# Altium PCB Node.PcbDoc
Units mil, origin at the board's own origin, x right, y up, seen from the top; angles counter-clockwise.
Board outline 2842.66 x 3035 mil, 2 copper layers (Top Layer, Bottom Layer); 112 components, 71 nets, 343 pads, 90 vias.
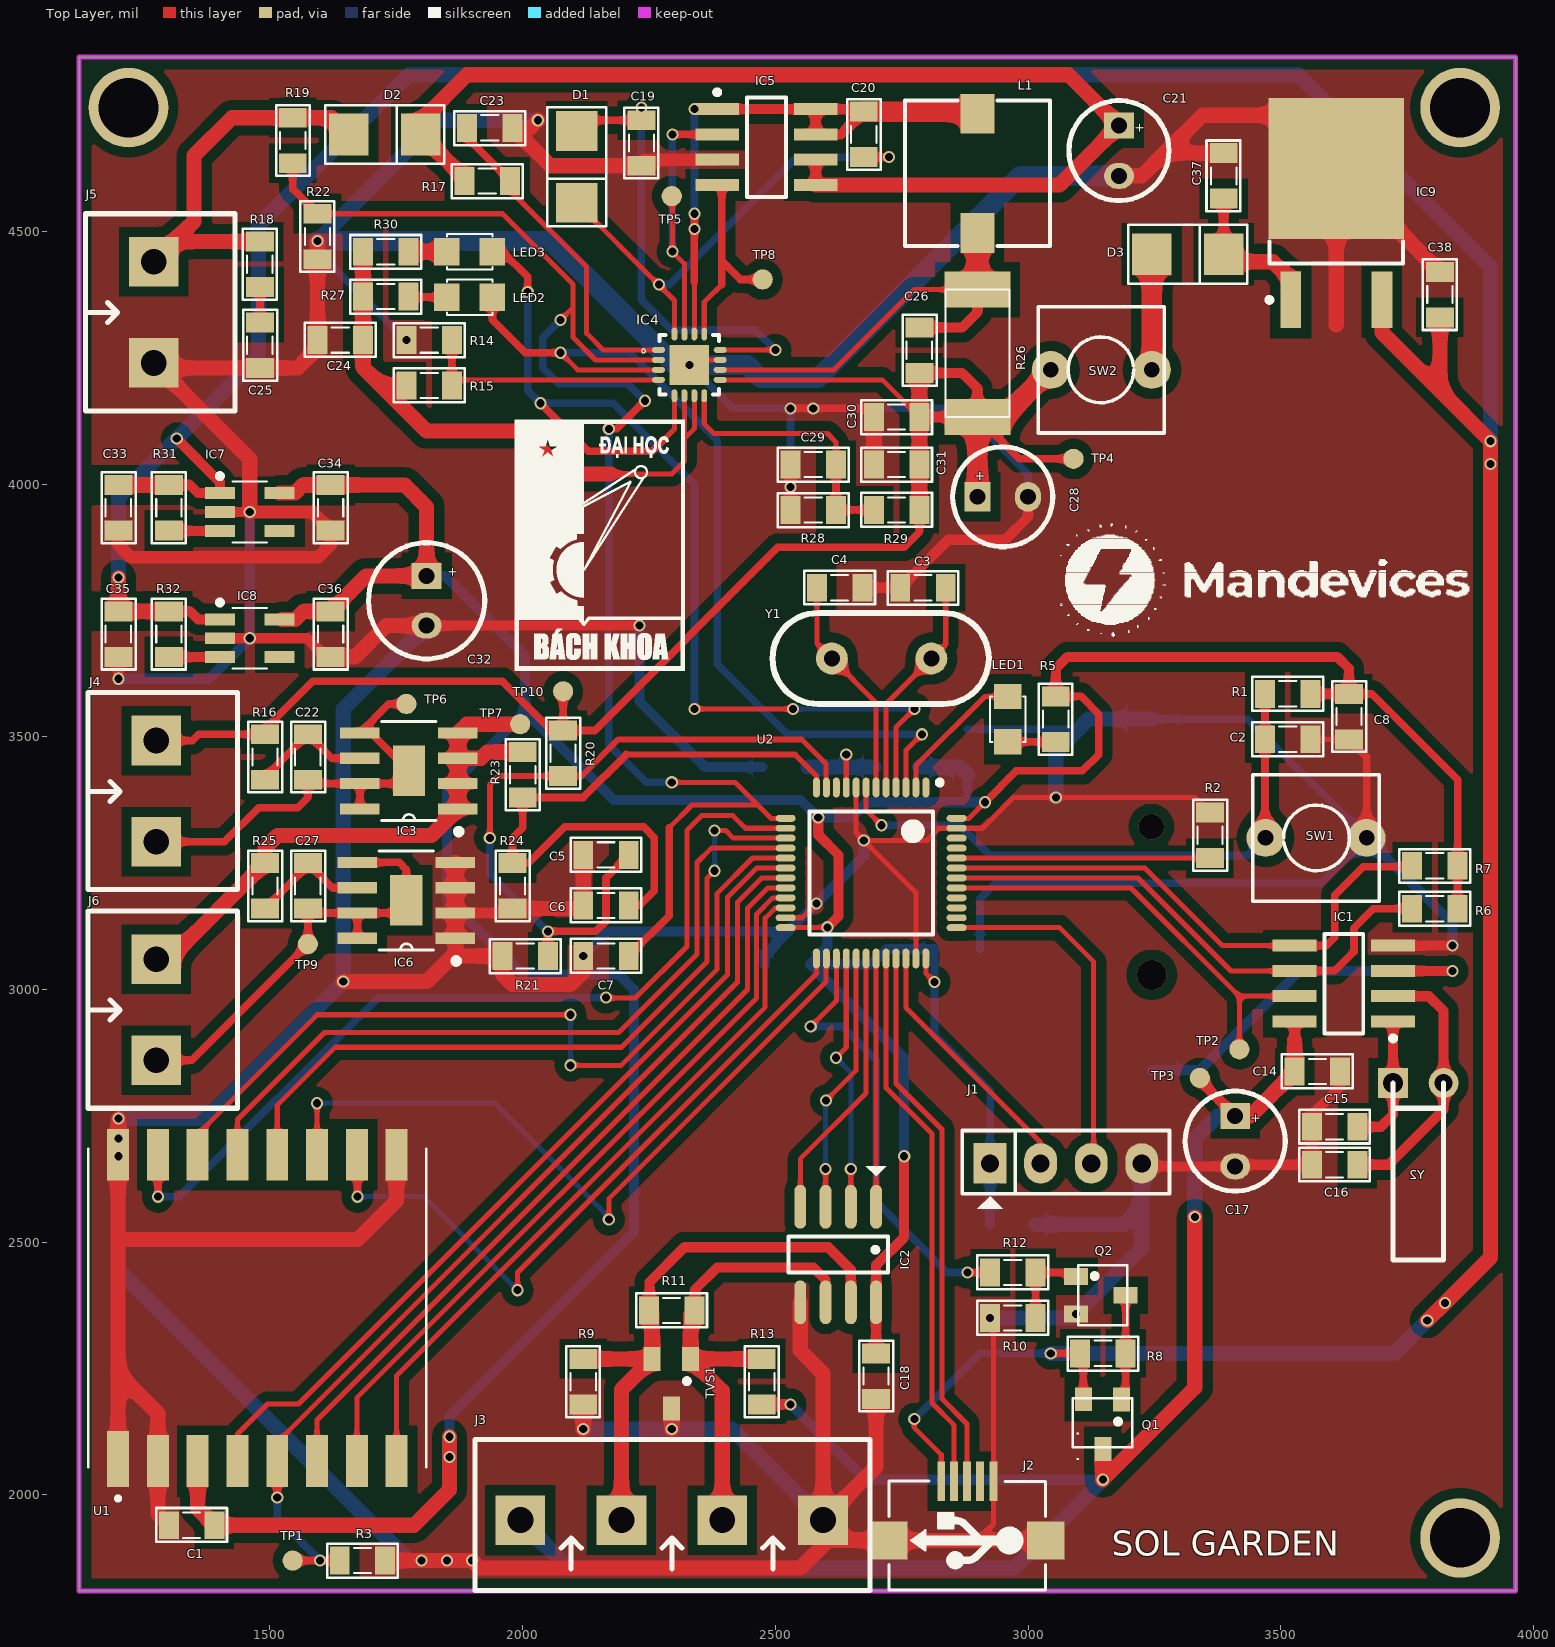
[diagram p0: Top Layer view]
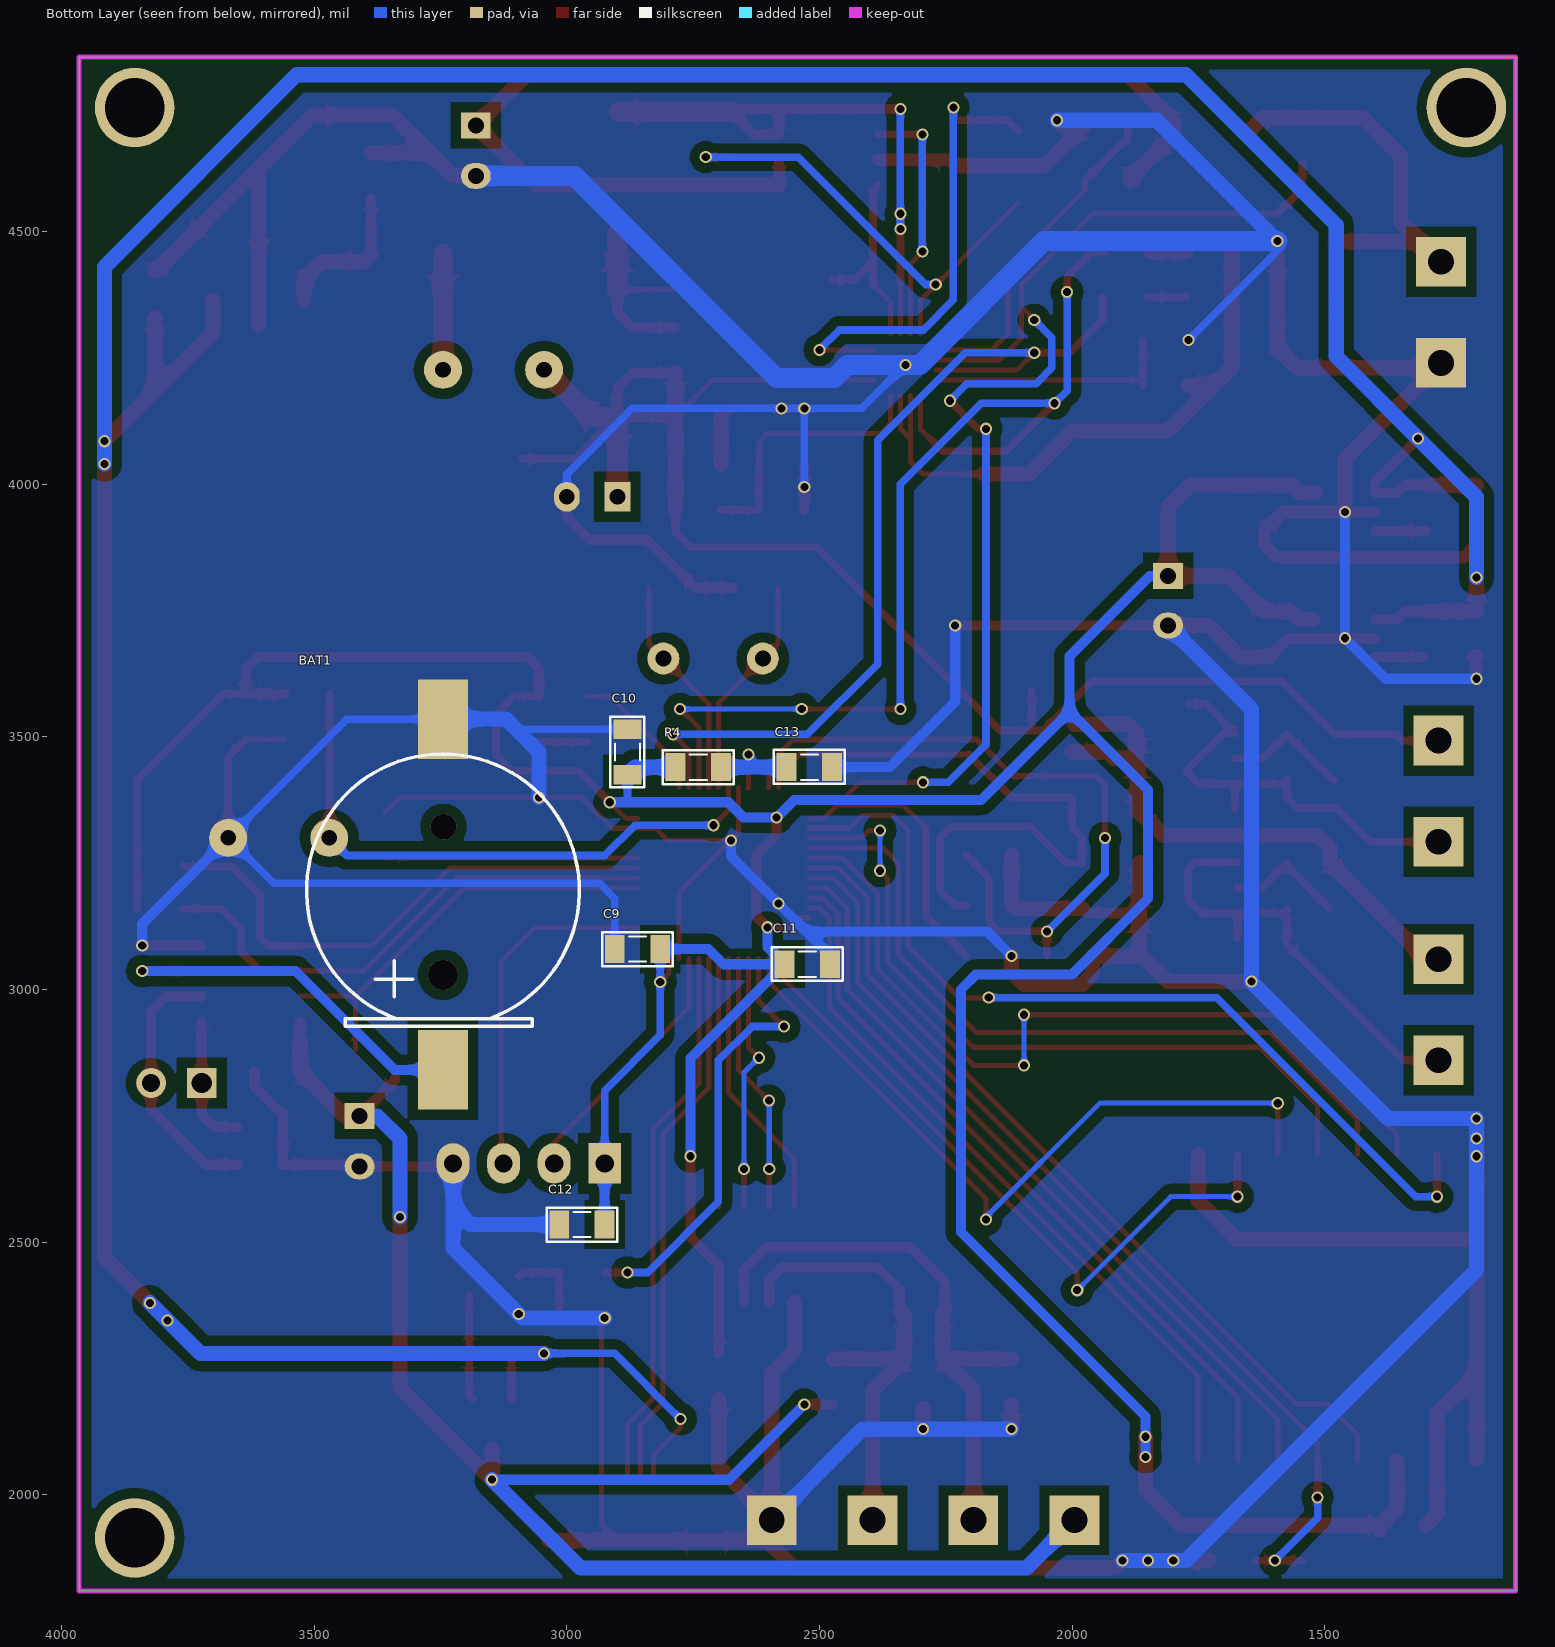
[diagram p1: Bottom Layer view, seen from below]
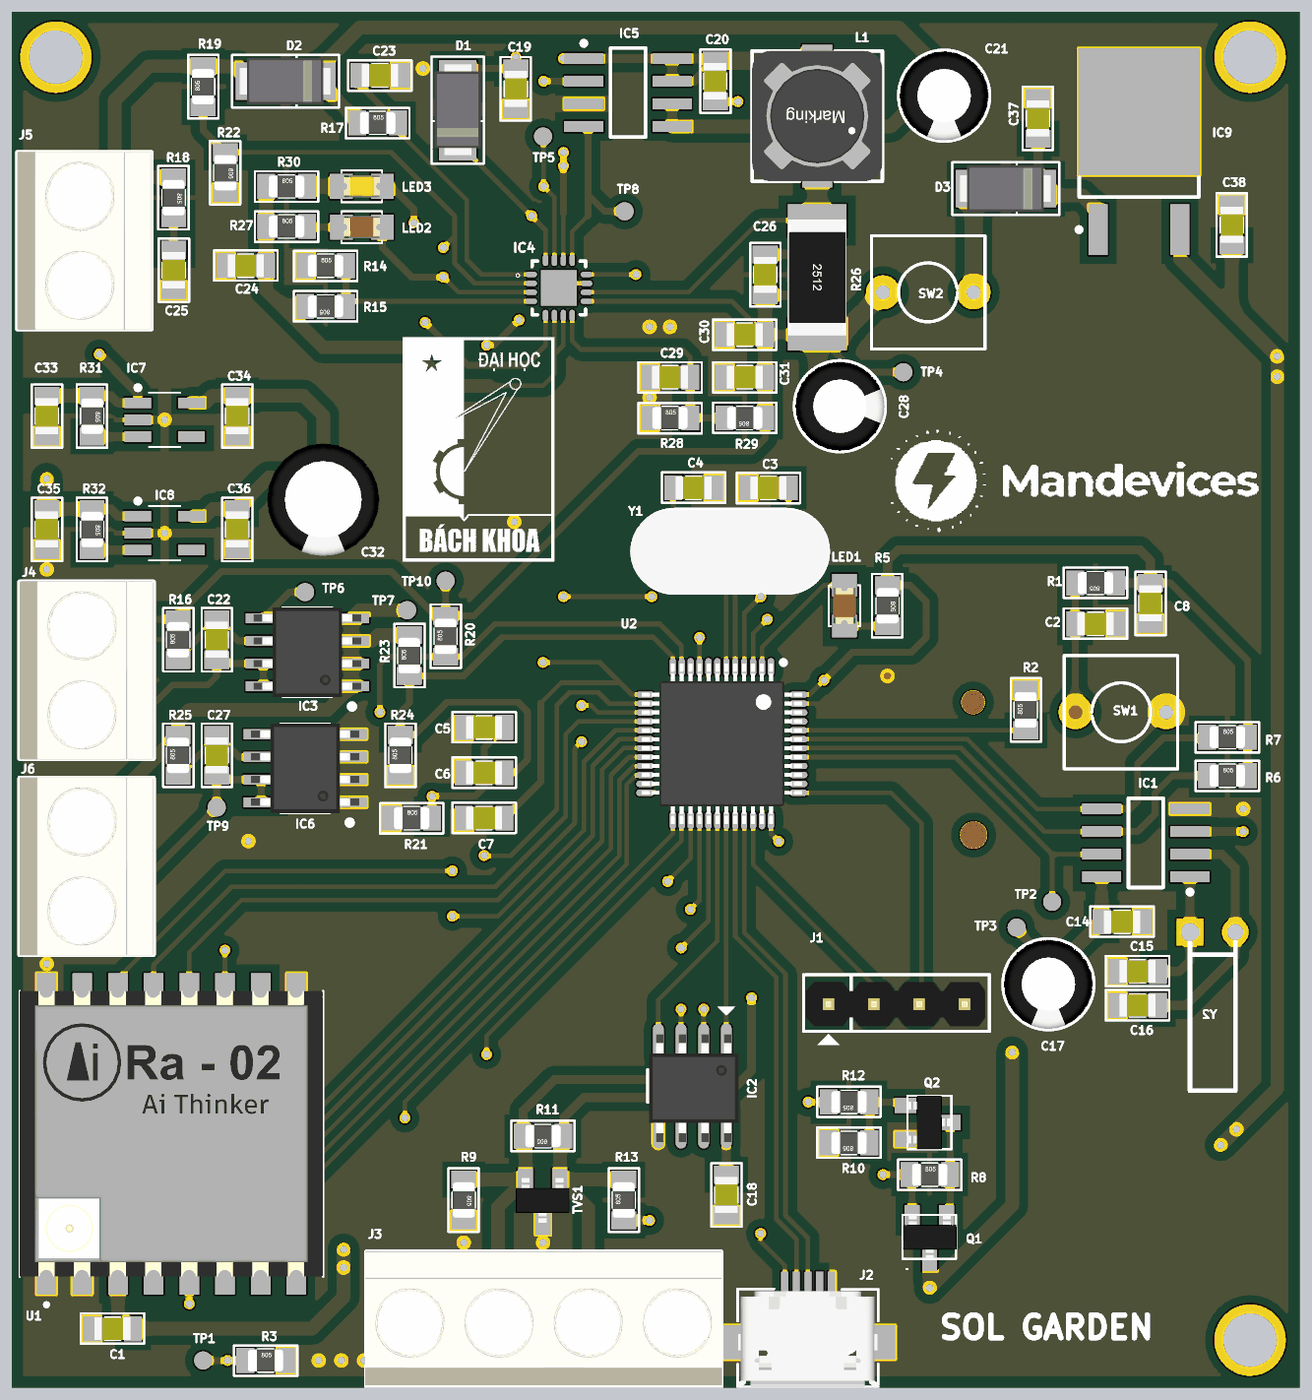
[diagram p2: 3D render of the assembled board from above, using the file's embedded part models]
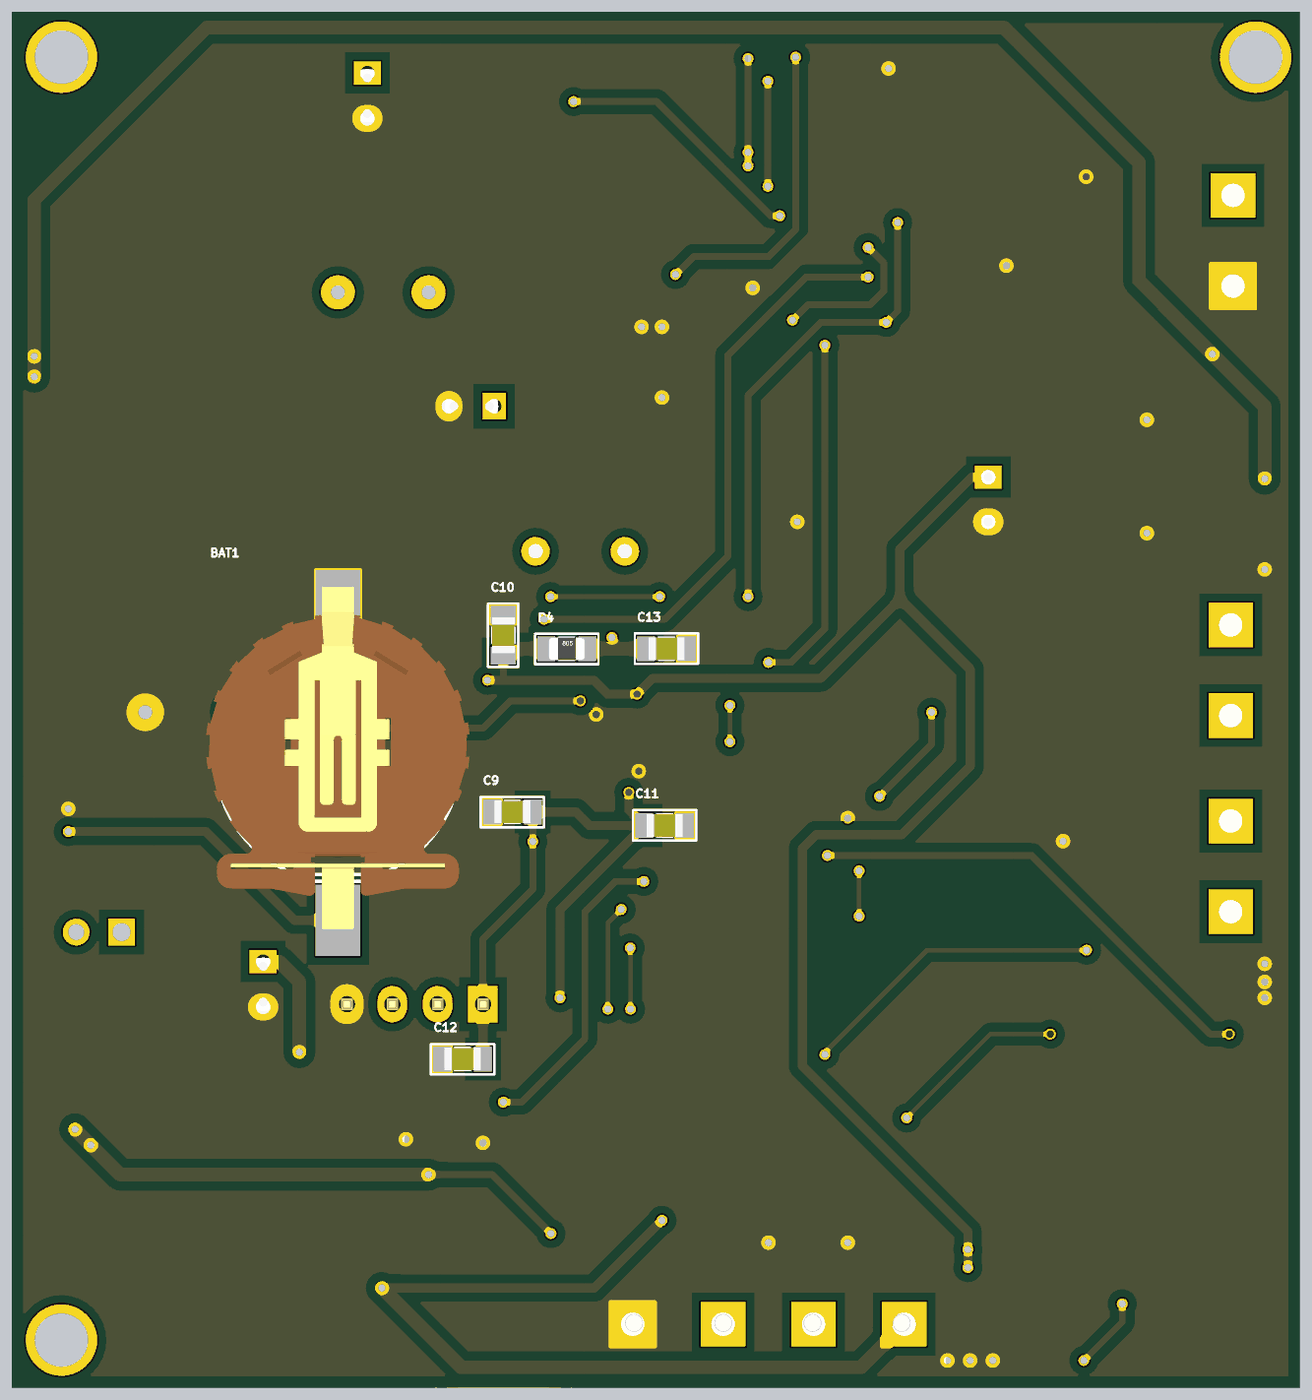
[diagram p3: 3D render of the assembled board from below, using the file's embedded part models]

## Layer stack, top to bottom
Top Solder: solder mask 0.4, Solder Resist, Dk 3.5
Top Layer: signal copper 1.4
Dielectric 1: dielectric 12.6, FR-4, Dk 4.8
Bottom Layer: signal copper 1.4
Bottom Solder: solder mask 0.4, Solder Resist, Dk 3.5

## Board outline
1122.34,1882.34 1122.34,4845 3965,4845 3965,1810 1122.34,1810

## Design rules (kind name [scope] priority, off if disabled: settings)
Clearance [All] p1: gap=20 ignorepadtopadclearanceinfootprint=TRUE except(0: Arc-Text Arc-Hole Track-Text Track-Hole SMDPad-Text SMDPad-Hole THPad-Text THPad-Hole Via-Text Via-Hole Fill-Text Fill-Hole Poly-Text Poly-Hole Region-Text Region-Hole Text-Text Text-Hole; 7: Arc-Arc Arc-Track Arc-SMDPad Track-Track Track-SMDPad SMDPad-SMDPad; 12: Arc-THPad Arc-Via Track-THPad Track-Via SMDPad-THPad SMDPad-Via THPad-THPad THPad-Via Via-Via)
DiffPairsRouting [All] p1: maxlimit=10 minlimit=10 mostfreqgap=10 toplayer_minwidth=10 toplayer_maxwidth=15 toplayer_prefwidth=15 bottomlayer_minwidth=10 bottomlayer_maxwidth=15 bottomlayer_prefwidth=15 maxuncoupledlength=500
PolygonConnect [All] p1: connectstyle=Direct reliefconductorwidth=10 reliefentries=4 polygonreliefangle="90 Angle" airgapwidth=10
RoutingVias [All] p1: holewidth=16 width=24 viastyle="Through Hole" minholewidth=16 minwidth=24 maxholewidth=16 maxwidth=24
SolderMaskExpansion [All] p1: expansion=4
Width [All] p1: maxlimit=60 minlimit=10 preferedwidth=15
29 further rules are at their usual default settings.

## Classes and differential pairs
component class 04: C17 C18 IC2 J3 Q1 Q2 R8 R9 R10 R11 R12 R13 TP3 TVS1
component class 03: C19 C20 C21 C22 C23 C24 C25 C26 C27 C28 C29 C30 C31 C32 C33 C34 C35 C36 C37 C38 D1 D2 D3 IC3 IC4 IC5 IC6 IC7 IC8 IC9 J4 J5 J6 L1 LED2 LED3 R14 R15 R16 R17 R18 R19 R20 R21 R22 R23 R24 R25 R26 R27 R28 R29 R30 R31 R32 SW2 TP4 TP5 TP6 TP7 TP8 TP9 TP10
component class 02: C1 U1
component class 01: BAT1 C2 C3 C4 C5 C6 C7 C8 C9 C10 C11 C12 C13 C14 C15 C16 IC1 J1 J2 LED1 R1 R2 R3 R4 R5 R6 R7 SW1 TP1 TP2 U2 Y1 Y2
differential pair USB: +USB_P -USB_N

## Components (designator, comment, footprint, x,y, rotation, side; value= is the part's Value field where it differs from the comment)
BAT1 "PIN 3V" "CR1220 SMD" 3236,3182 r180 bottom
C1 "100nF" CAP_0805 1345,1940 r180 top value=33p
C2 "100nF" CAP_0805 3514,3495 r180 top value=33p
C3 "22pF" CAP_0805 2792.24,3795 r0 top value=33p
C4 "22pF" CAP_0805 2627.24,3795 r180 top value=33p
C5 "100nF" CAP_0805 2165,3266.41 r180 top value=33p
C6 "100nF" CAP_0805 2165,3166.41 r180 top value=33p
C7 "100nF" CAP_0805 2165,3066.41 r180 top value=33p
C8 "100nF" CAP_0805 3635,3540 r90 top value=33p
C9 "100nF" CAP_0805 2860,3080 r180 bottom value=33p
C10 "100nF" CAP_0805 2880,3470 r270 bottom value=33p
C11 "100nF" CAP_0805 2524.05,3050 r0 bottom value=33p
C12 "1uF" CAP_0805 2970,2535 r180 bottom value=33p
C13 "10nF" CAP_0805 2520,3440 r0 bottom value=33p
C14 "100nF" CAP_0805 3572.56,2837.56 r180 top value=33p
C15 "10pF" CAP_0805 3606.67,2728.27 r180 top value=33p
C16 "10pC" CAP_0805 3606.67,2653.27 r180 top value=33p
C17 "220uF/16V" C5mm 3410,2700 r270 top
C18 "10uF" CAP_0805 2699.37,2235 r90 top value=33p
C19 "1uF" CAP_0805 2235,4675 r270 top value=33p
C20 "100nF" CAP_0805 2675,4692 r90 top value=33p
C21 "220uF/25V" C5mm 3180,4660 r270 top
C22 "100nF" CAP_0805 1575,3460 r90 top value=33p
C23 "100nF" CAP_0805 1935,4705 r0 top value=33p
C24 "100nF" CAP_0805 1639.05,4285 r180 top value=33p
C25 "2.2uF" CAP_0805 1480,4275 r90 top value=33p
C26 "10uF" CAP_0805 2785,4265 r90 top value=33p
C27 "100nF" CAP_0805 1575,3205 r90 top value=33p
C28 "100uF/16V" C5mm 2950,3975 r0 top
C29 "100nF" CAP_0805 2575,4039.02 r0 top value=33p
C30 "10uF" CAP_0805 2740,4133.03 r0 top value=33p
C31 "22uF" CAP_0805 2740,4039.02 r0 top value=33p
C32 "470uF/16V" C8mm 1810,3769.21 r270 top
C33 "10uF" CAP_0805 1200,3953.21 r90 top value=33p
C34 "10uF" CAP_0805 1620,3953.21 r90 top value=33p
C35 "10uF" CAP_0805 1200,3703.21 r90 top value=33p
C36 "10uF" CAP_0805 1620,3703.21 r90 top value=33p
C37 "22uF" CAP_0805 3387.2,4610 r270 top value=33p
C38 "22uF" CAP_0805 3815,4375 r270 top value=33p
D1 "1N5822" DIO-214AC(SMA) 2105,4625 r90 top value="Diode c?m 1N5408"
D2 "1N5822" DIO-214AC(SMA) 1730,4690 r180 top value="Diode c?m 1N5408"
D3 "1N5822" DIO-214AC(SMA) 3319,4453 r180 top value="Diode c?m 1N5408"
IC1 "DS1307Z" SOIC-8 3625,3011.73 r180 top
IC2 "MAX3485" SO-8 2624.37,2475.51 r270 top
IC3 "XB8688A" SOP8-PP 1775,3432.5 r180 top
IC4 "BQ24650" VQFN-16 2329.84,4236.02 r0 top
IC5 "AO4914" SOIC-8 2482.44,4667 r0 top
IC6 "XB8688A" SOP8-PP 1770,3176.41 r180 top
IC7 "RT9013" SOT23-5 1460,3945 r0 top
IC8 "RT9013" SOT23-5 1460,3695 r0 top
IC9 "LM7805" TO-252 3610,4530 r90 top
J1 "ST_Link" Jump_4p 2925,2656 r0 top
J2 "USB-5" USB-M1 2879.49,2026.84 r180 top
J3 "KF4" KF4-5.08 1995.5,1950 r0 top
J4 "KF2" KF2-5.08 1275,3392.5 r90 top
J5 "KF2" KF2-5.08 1270,4340 r90 top
J6 "KF2" KF2-5.08 1275,2960 r90 top
L1 "15uH" L-SMD-M-7.3x4.5 2900,4615 r0 top value="150 mH"
LED1 "LED" LED-0805-Red 2960,3490 r90 top value="LED 3 ly Single Colour"
LED2 "LED" LED-0805-Red 1850,4370 r0 top value="LED 3 ly Single Colour"
LED3 "LED" LED-0805-Orange 1850,4460 r0 top value="LED 3 ly Single Colour"
Q1 "AO3401" SOT23A 3148.21,2140 r180 top
Q2 "2SC1815" SOT23D 3144,2395 r270 top value=C1815
R1 "10k" RES-SMD-0805 3514,3585 r180 top
R2 "100k" RES-SMD-0805 3360,3305.07 r90 top
R3 "100k" RES-SMD-0805 1683,1870 r0 top
R4 "10R" RES-SMD-0805 2740,3440 r180 bottom
R5 "1k" RES-SMD-0805 3055,3535 r270 top
R6 "10k" RES-SMD-0805 3805,3160 r0 top
R7 "10k" RES-SMD-0805 3805,3245 r0 top
R8 "100k" RES-SMD-0805 3148.21,2280 r0 top
R9 "4k7" RES-SMD-0805 2120,2224 r270 top
R10 "100k" RES-SMD-0805 2970,2350 r180 top
R11 "120" RES-SMD-0805 2294.8,2365 r180 top
R12 "1k" RES-SMD-0805 2970,2440 r180 top
R13 "4k7" RES-SMD-0805 2472.95,2224 r90 top
R14 "10k" RES-SMD-0805 1815,4285 r0 top
R15 "6k8" RES-SMD-0805 1815,4195 r180 top
R16 "1k" RES-SMD-0805 1490,3460 r90 top
R17 "10R" RES-SMD-0805 1930,4600 r0 top
R18 "2R" RES-SMD-0805 1480,4435 r270 top
R19 "110k" RES-SMD-0805 1545,4680 r90 top
R20 "270k" RES-SMD-0805 2080,3467.49 r90 top
R21 "150k" RES-SMD-0805 2005,3066.41 r0 top
R22 "15k" RES-SMD-0805 1594.05,4490 r270 top
R23 "120k" RES-SMD-0805 2000,3425 r90 top
R24 "300k" RES-SMD-0805 1980,3205 r90 top
R25 "1k" RES-SMD-0805 1490,3205 r90 top
R26 "0R04" RES-SMD-2512 2895,4259.02 r270 top
R27 "1k5" RES-SMD-0805 1729.05,4371.5 r0 top
R28 "10k" RES-SMD-0805 2575,3949.02 r0 top
R29 "30k" RES-SMD-0805 2740,3949.02 r180 top
R30 "1k5" RES-SMD-0805 1729.05,4460 r0 top
R31 "100k" RES-SMD-0805 1300,3953.21 r270 top
R32 "100k" RES-SMD-0805 1300,3703.21 r270 top
SW1 "SW" SW2 3670,3300 r180 top value="SW chip 2 pin"
SW2 "SW" SW2 3045,4226.18 r0 top value="SW chip 2 pin"
TP1 "Test Point" TP_SMD 1545,1870 r90 top
TP2 "Test Point" TP_SMD 3418.27,2881.73 r90 top
TP3 "Test Point" TP_SMD 3340,2825 r90 top
TP4 "Test Point" TP_SMD 3090,4050 r90 top
TP5 "Test Point" TP_SMD 2295,4570 r90 top
TP6 "Test Point" TP_SMD 1770,3565 r90 top
TP7 "Test Point" TP_SMD 1995,3525 r90 top
TP8 "Test Point" TP_SMD 2475,4405 r90 top
TP9 "Test Point" TP_SMD 1575,3090 r90 top
TP10 "Test Point" TP_SMD 2080,3590 r90 top
TVS1 "SM712" SOT23 2295,2220 r180 top value=1N4148
U1 "LoRa_02" Ra-02 1475,2370 r90 top
U2 "STM32" "LQFP 48" 2689.53,3230.54 r270 top
Y1 "8MHz" XTAL 2708.43,3655 r180 top
Y2 "32.768KHz" XTAL32K 3722.44,2815 r0 top
